# KiCad board register-motherboard - Copy.kicad_pcb (continued)
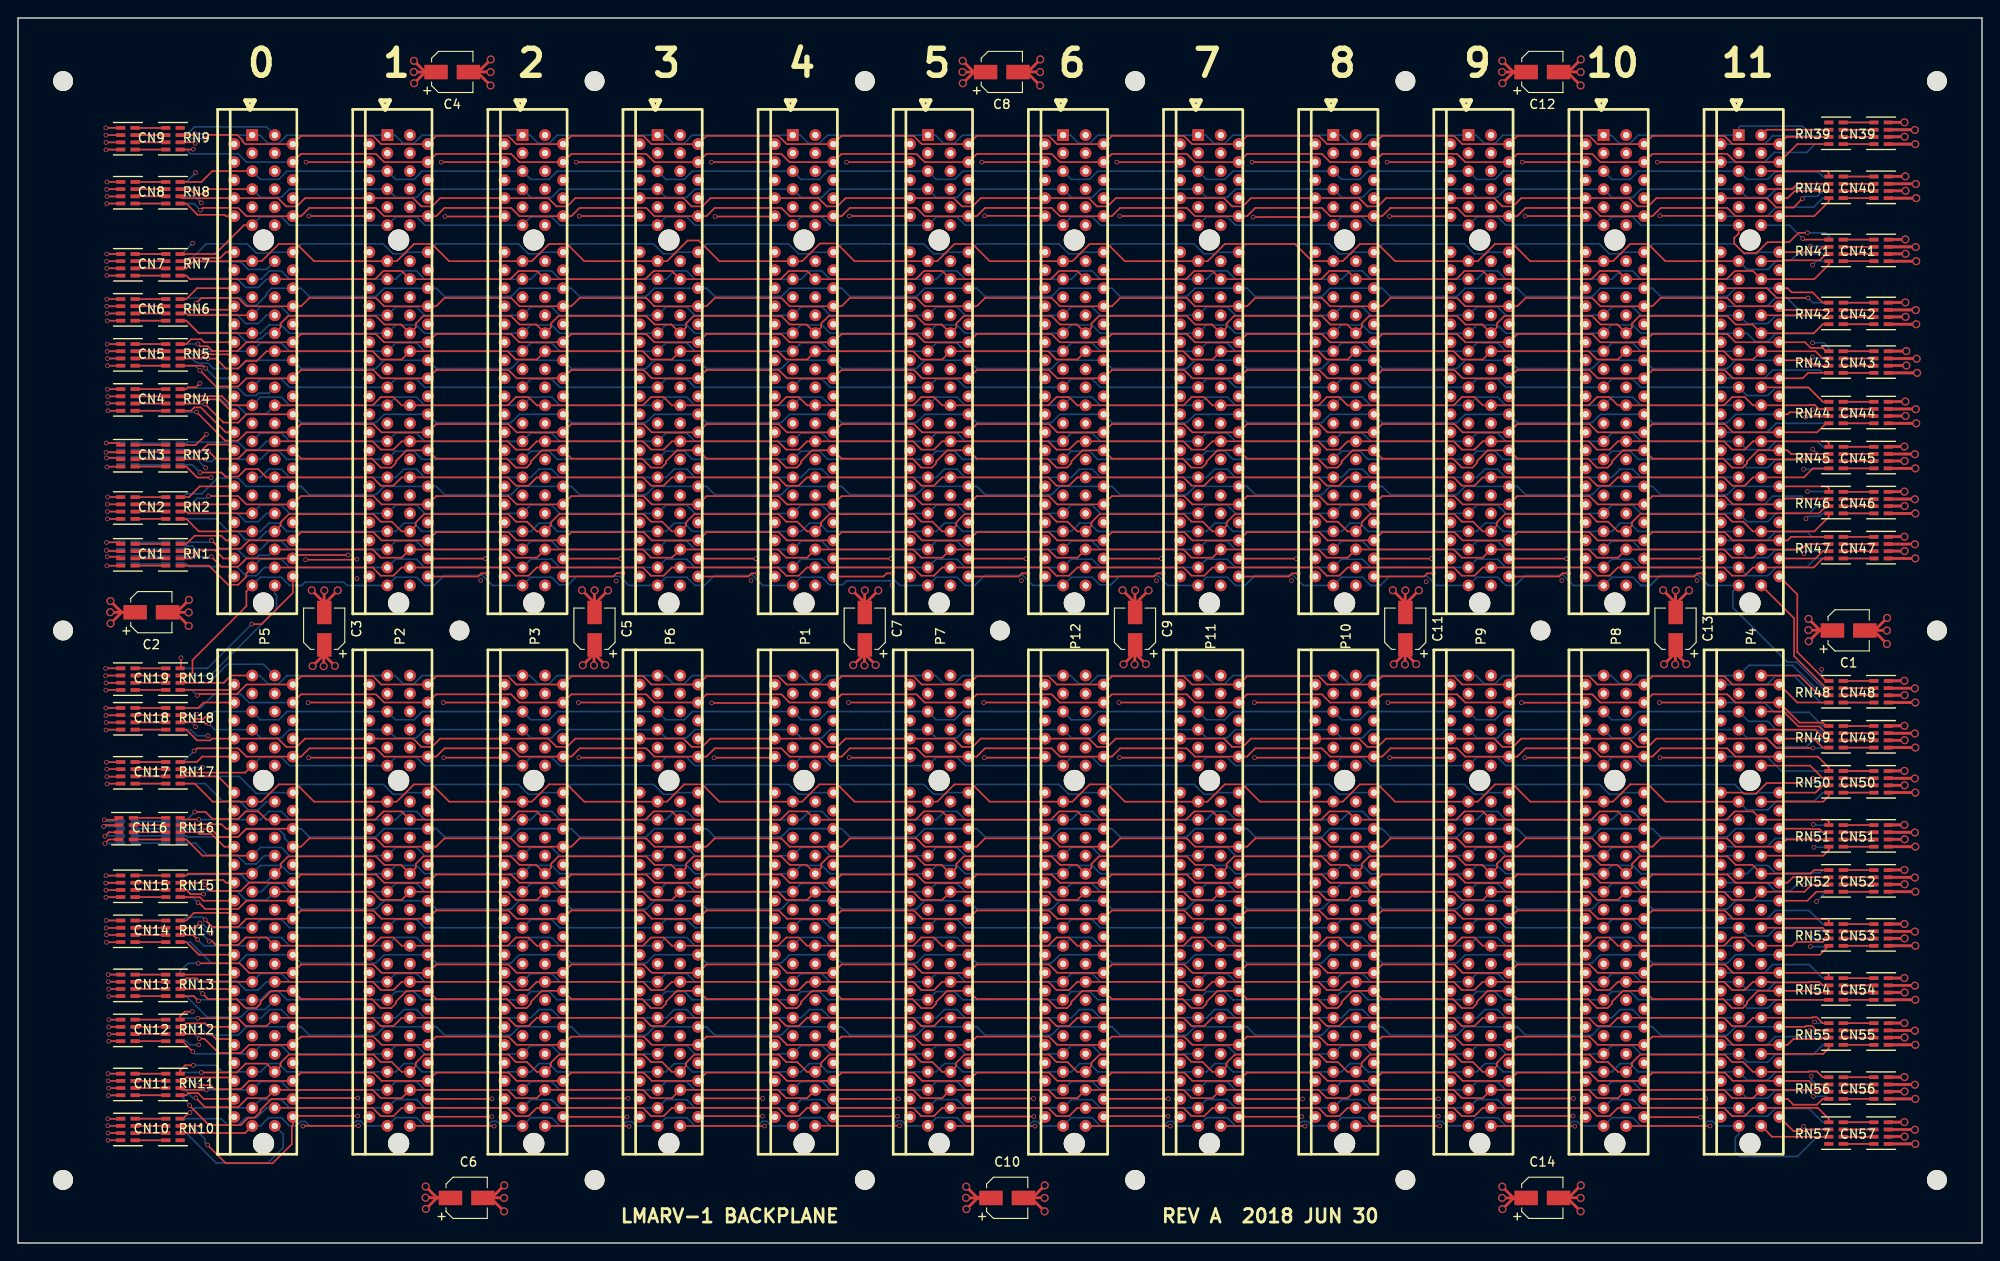
[diagram p0: board, top side]
## Nets (continued)
/~{rd_blh}: P1.177 P2.177 P3.177 P4.177 P5.177 P6.177 P7.177 P8.177 P9.177 P10.177 P11.177 P12.177 RN33.8 RN53.8
/~{rd_bll}: P1.179 P2.179 P3.179 P4.179 P5.179 P6.179 P7.179 P8.179 P9.179 P10.179 P11.179 P12.179 RN32.5 RN54.5
/~{rd_wr}: P1.124 P2.124 P3.124 P4.124 P5.124 P6.124 P7.124 P8.124 P9.124 P10.124 P11.124 P12.124 RN24.8 RN43.8
/~{rs1_bhh}: P1.130 P2.130 P3.130 P4.130 P5.130 P6.130 P7.130 P8.130 P9.130 P10.130 P11.130 P12.130 RN23.8 RN44.8
/~{rs1_bhl}: P1.131 P2.131 P3.131 P4.131 P5.131 P6.131 P7.131 P8.131 P9.131 P10.131 P11.131 P12.131 RN22.5 RN45.5
/~{rs1_blh}: P1.182 P2.182 P3.182 P4.182 P5.182 P6.182 P7.182 P8.182 P9.182 P10.182 P11.182 P12.182 RN32.8 RN54.8
/~{rs1_bll}: P1.184 P2.184 P3.184 P4.184 P5.184 P6.184 P7.184 P8.184 P9.184 P10.184 P11.184 P12.184 RN31.5 RN55.5
/~{rs1_rd}: P1.132 P2.132 P3.132 P4.132 P5.132 P6.132 P7.132 P8.132 P9.132 P10.132 P11.132 P12.132 RN22.6 RN45.6
/~{rs2_bhh}: P1.125 P2.125 P3.125 P4.125 P5.125 P6.125 P7.125 P8.125 P9.125 P10.125 P11.125 P12.125 RN23.5 RN44.5
/~{rs2_bhl}: P1.127 P2.127 P3.127 P4.127 P5.127 P6.127 P7.127 P8.127 P9.127 P10.127 P11.127 P12.127 RN23.6 RN44.6
/~{rs2_blh}: P1.180 P2.180 P3.180 P4.180 P5.180 P6.180 P7.180 P8.180 P9.180 P10.180 P11.180 P12.180 RN32.6 RN54.6
/~{rs2_bll}: P1.181 P2.181 P3.181 P4.181 P5.181 P6.181 P7.181 P8.181 P9.181 P10.181 P11.181 P12.181 RN32.7 RN54.7
/~{rs2_rd}: P1.128 P2.128 P3.128 P4.128 P5.128 P6.128 P7.128 P8.128 P9.128 P10.128 P11.128 P12.128 RN23.7 RN44.7
Net-(CN1-Pad5): CN1.5 RN1.4
Net-(CN1-Pad6): CN1.6 RN1.3
Net-(CN1-Pad7): CN1.7 RN1.2
Net-(CN1-Pad8): CN1.8 RN1.1
Net-(CN2-Pad5): CN2.5 RN2.4
Net-(CN2-Pad6): CN2.6 RN2.3
Net-(CN2-Pad7): CN2.7 RN2.2
Net-(CN2-Pad8): CN2.8 RN2.1
Net-(CN3-Pad5): CN3.5 RN3.4
Net-(CN3-Pad6): CN3.6 RN3.3
Net-(CN3-Pad7): CN3.7 RN3.2
Net-(CN3-Pad8): CN3.8 RN3.1
Net-(CN4-Pad5): CN4.5 RN4.4
Net-(CN4-Pad6): CN4.6 RN4.3
Net-(CN4-Pad7): CN4.7 RN4.2
Net-(CN4-Pad8): CN4.8 RN4.1
Net-(CN5-Pad5): CN5.5 RN5.4
Net-(CN5-Pad6): CN5.6 RN5.3
Net-(CN5-Pad7): CN5.7 RN5.2
Net-(CN5-Pad8): CN5.8 RN5.1
Net-(CN6-Pad5): CN6.5 RN6.4
Net-(CN6-Pad6): CN6.6 RN6.3
Net-(CN6-Pad7): CN6.7 RN6.2
Net-(CN6-Pad8): CN6.8 RN6.1
Net-(CN7-Pad5): CN7.5 RN7.4
Net-(CN7-Pad6): CN7.6 RN7.3
Net-(CN7-Pad7): CN7.7 RN7.2
Net-(CN7-Pad8): CN7.8 RN7.1
Net-(CN8-Pad5): CN8.5 RN8.4
Net-(CN8-Pad6): CN8.6 RN8.3
Net-(CN8-Pad7): CN8.7 RN8.2
Net-(CN8-Pad8): CN8.8 RN8.1
Net-(CN9-Pad5): CN9.5 RN9.4
Net-(CN9-Pad6): CN9.6 RN9.3
Net-(CN9-Pad7): CN9.7 RN9.2
Net-(CN9-Pad8): CN9.8 RN9.1
Net-(CN10-Pad5): CN10.5 RN10.4
Net-(CN10-Pad6): CN10.6 RN10.3
Net-(CN10-Pad7): CN10.7 RN10.2
Net-(CN10-Pad8): CN10.8 RN10.1
Net-(CN11-Pad5): CN11.5 RN11.4
Net-(CN11-Pad6): CN11.6 RN11.3
Net-(CN11-Pad7): CN11.7 RN11.2
Net-(CN11-Pad8): CN11.8 RN11.1
Net-(CN12-Pad5): CN12.5 RN12.4
Net-(CN12-Pad6): CN12.6 RN12.3
Net-(CN12-Pad7): CN12.7 RN12.2
Net-(CN12-Pad8): CN12.8 RN12.1
Net-(CN13-Pad5): CN13.5 RN13.4
Net-(CN13-Pad6): CN13.6 RN13.3
Net-(CN13-Pad7): CN13.7 RN13.2
Net-(CN13-Pad8): CN13.8 RN13.1
Net-(CN14-Pad5): CN14.5 RN14.4
Net-(CN14-Pad6): CN14.6 RN14.3
Net-(CN14-Pad7): CN14.7 RN14.2
Net-(CN14-Pad8): CN14.8 RN14.1
Net-(CN15-Pad5): CN15.5 RN15.4
Net-(CN15-Pad6): CN15.6 RN15.3
Net-(CN15-Pad7): CN15.7 RN15.2
Net-(CN15-Pad8): CN15.8 RN15.1
Net-(CN16-Pad5): CN16.5 RN16.4
Net-(CN16-Pad6): CN16.6 RN16.3
Net-(CN16-Pad7): CN16.7 RN16.2
Net-(CN16-Pad8): CN16.8 RN16.1
Net-(CN17-Pad5): CN17.5 RN17.4
Net-(CN17-Pad6): CN17.6 RN17.3
Net-(CN17-Pad7): CN17.7 RN17.2
Net-(CN17-Pad8): CN17.8 RN17.1
Net-(CN18-Pad5): CN18.5 RN18.4
Net-(CN18-Pad6): CN18.6 RN18.3
Net-(CN18-Pad7): CN18.7 RN18.2
Net-(CN18-Pad8): CN18.8 RN18.1
Net-(CN19-Pad5): CN19.5 RN19.4
Net-(CN19-Pad6): CN19.6 RN19.3
Net-(CN19-Pad7): CN19.7 RN19.2
Net-(CN19-Pad8): CN19.8 RN19.1
Net-(CN20-Pad5): CN20.5 RN20.4
Net-(CN20-Pad6): CN20.6 RN20.3
Net-(CN20-Pad7): CN20.7 RN20.2
Net-(CN20-Pad8): CN20.8 RN20.1
Net-(CN21-Pad5): CN21.5 RN21.4
Net-(CN21-Pad6): CN21.6 RN21.3
Net-(CN21-Pad7): CN21.7 RN21.2
Net-(CN21-Pad8): CN21.8 RN21.1
Net-(CN22-Pad5): CN22.5 RN22.4
Net-(CN22-Pad6): CN22.6 RN22.3
Net-(CN22-Pad7): CN22.7 RN22.2
Net-(CN22-Pad8): CN22.8 RN22.1
Net-(CN23-Pad5): CN23.5 RN23.4
Net-(CN23-Pad6): CN23.6 RN23.3
Net-(CN23-Pad7): CN23.7 RN23.2
Net-(CN23-Pad8): CN23.8 RN23.1
Net-(CN24-Pad5): CN24.5 RN24.4
Net-(CN24-Pad6): CN24.6 RN24.3
Net-(CN24-Pad7): CN24.7 RN24.2
Net-(CN24-Pad8): CN24.8 RN24.1
Net-(CN25-Pad5): CN25.5 RN25.4
Net-(CN25-Pad6): CN25.6 RN25.3
Net-(CN25-Pad7): CN25.7 RN25.2
Net-(CN25-Pad8): CN25.8 RN25.1
Net-(CN26-Pad5): CN26.5 RN26.4
Net-(CN26-Pad6): CN26.6 RN26.3
Net-(CN26-Pad7): CN26.7 RN26.2
Net-(CN26-Pad8): CN26.8 RN26.1
Net-(CN27-Pad5): CN27.5 RN27.4
Net-(CN27-Pad6): CN27.6 RN27.3
Net-(CN27-Pad7): CN27.7 RN27.2
Net-(CN27-Pad8): CN27.8 RN27.1
Net-(CN28-Pad5): CN28.5 RN28.4
Net-(CN28-Pad6): CN28.6 RN28.3
Net-(CN28-Pad7): CN28.7 RN28.2
Net-(CN28-Pad8): CN28.8 RN28.1
Net-(CN29-Pad5): CN29.5 RN29.4
Net-(CN29-Pad6): CN29.6 RN29.3
Net-(CN29-Pad7): CN29.7 RN29.2
Net-(CN29-Pad8): CN29.8 RN29.1
Net-(CN30-Pad5): CN30.5 RN30.4
Net-(CN30-Pad6): CN30.6 RN30.3
Net-(CN30-Pad7): CN30.7 RN30.2
Net-(CN30-Pad8): CN30.8 RN30.1
Net-(CN31-Pad5): CN31.5 RN31.4
Net-(CN31-Pad6): CN31.6 RN31.3
Net-(CN31-Pad7): CN31.7 RN31.2
Net-(CN31-Pad8): CN31.8 RN31.1
Net-(CN32-Pad5): CN32.5 RN32.4
Net-(CN32-Pad6): CN32.6 RN32.3
Net-(CN32-Pad7): CN32.7 RN32.2
Net-(CN32-Pad8): CN32.8 RN32.1
Net-(CN33-Pad5): CN33.5 RN33.4
Net-(CN33-Pad6): CN33.6 RN33.3
Net-(CN33-Pad7): CN33.7 RN33.2
Net-(CN33-Pad8): CN33.8 RN33.1
Net-(CN34-Pad5): CN34.5 RN34.4
Net-(CN34-Pad6): CN34.6 RN34.3
Net-(CN34-Pad7): CN34.7 RN34.2
Net-(CN34-Pad8): CN34.8 RN34.1
Net-(CN35-Pad5): CN35.5 RN35.4
Net-(CN35-Pad6): CN35.6 RN35.3
Net-(CN35-Pad7): CN35.7 RN35.2
Net-(CN35-Pad8): CN35.8 RN35.1
Net-(CN36-Pad5): CN36.5 RN36.4
Net-(CN36-Pad6): CN36.6 RN36.3
Net-(CN36-Pad7): CN36.7 RN36.2
Net-(CN36-Pad8): CN36.8 RN36.1
Net-(CN37-Pad5): CN37.5 RN37.4
Net-(CN37-Pad6): CN37.6 RN37.3
Net-(CN37-Pad7): CN37.7 RN37.2
Net-(CN37-Pad8): CN37.8 RN37.1
Net-(CN38-Pad5): CN38.5 RN38.4
Net-(CN38-Pad6): CN38.6 RN38.3
Net-(CN38-Pad7): CN38.7 RN38.2
Net-(CN38-Pad8): CN38.8 RN38.1
Net-(CN39-Pad5): CN39.5 RN39.4
Net-(CN39-Pad6): CN39.6 RN39.3
Net-(CN39-Pad7): CN39.7 RN39.2
Net-(CN39-Pad8): CN39.8 RN39.1
Net-(CN40-Pad5): CN40.5 RN40.4
Net-(CN40-Pad6): CN40.6 RN40.3
Net-(CN40-Pad7): CN40.7 RN40.2
Net-(CN40-Pad8): CN40.8 RN40.1
Net-(CN41-Pad5): CN41.5 RN41.4
Net-(CN41-Pad6): CN41.6 RN41.3
Net-(CN41-Pad7): CN41.7 RN41.2
Net-(CN41-Pad8): CN41.8 RN41.1
Net-(CN42-Pad5): CN42.5 RN42.4
Net-(CN42-Pad6): CN42.6 RN42.3
Net-(CN42-Pad7): CN42.7 RN42.2
Net-(CN42-Pad8): CN42.8 RN42.1
Net-(CN43-Pad5): CN43.5 RN43.4
Net-(CN43-Pad6): CN43.6 RN43.3
Net-(CN43-Pad7): CN43.7 RN43.2
Net-(CN43-Pad8): CN43.8 RN43.1
Net-(CN44-Pad5): CN44.5 RN44.4
Net-(CN44-Pad6): CN44.6 RN44.3
Net-(CN44-Pad7): CN44.7 RN44.2
Net-(CN44-Pad8): CN44.8 RN44.1
Net-(CN45-Pad5): CN45.5 RN45.4
Net-(CN45-Pad6): CN45.6 RN45.3
Net-(CN45-Pad7): CN45.7 RN45.2
Net-(CN45-Pad8): CN45.8 RN45.1
Net-(CN46-Pad5): CN46.5 RN46.4
Net-(CN46-Pad6): CN46.6 RN46.3
Net-(CN46-Pad7): CN46.7 RN46.2
Net-(CN46-Pad8): CN46.8 RN46.1
Net-(CN47-Pad5): CN47.5 RN47.4
Net-(CN47-Pad6): CN47.6 RN47.3
Net-(CN47-Pad7): CN47.7 RN47.2
Net-(CN47-Pad8): CN47.8 RN47.1
Net-(CN48-Pad5): CN48.5 RN48.4
Net-(CN48-Pad6): CN48.6 RN48.3
Net-(CN48-Pad7): CN48.7 RN48.2
Net-(CN48-Pad8): CN48.8 RN48.1
Net-(CN49-Pad5): CN49.5 RN49.4
Net-(CN49-Pad6): CN49.6 RN49.3
Net-(CN49-Pad7): CN49.7 RN49.2
Net-(CN49-Pad8): CN49.8 RN49.1
Net-(CN50-Pad5): CN50.5 RN50.4
Net-(CN50-Pad6): CN50.6 RN50.3
Net-(CN50-Pad7): CN50.7 RN50.2
Net-(CN50-Pad8): CN50.8 RN50.1
Net-(CN51-Pad5): CN51.5 RN51.4
Net-(CN51-Pad6): CN51.6 RN51.3
Net-(CN51-Pad7): CN51.7 RN51.2
Net-(CN51-Pad8): CN51.8 RN51.1
Net-(CN52-Pad5): CN52.5 RN52.4
Net-(CN52-Pad6): CN52.6 RN52.3
Net-(CN52-Pad7): CN52.7 RN52.2
Net-(CN52-Pad8): CN52.8 RN52.1
Net-(CN53-Pad5): CN53.5 RN53.4
Net-(CN53-Pad6): CN53.6 RN53.3
Net-(CN53-Pad7): CN53.7 RN53.2
Net-(CN53-Pad8): CN53.8 RN53.1
Net-(CN54-Pad5): CN54.5 RN54.4
Net-(CN54-Pad6): CN54.6 RN54.3
Net-(CN54-Pad7): CN54.7 RN54.2
Net-(CN54-Pad8): CN54.8 RN54.1
Net-(CN55-Pad5): CN55.5 RN55.4
Net-(CN55-Pad6): CN55.6 RN55.3
Net-(CN55-Pad7): CN55.7 RN55.2
Net-(CN55-Pad8): CN55.8 RN55.1
Net-(CN56-Pad5): CN56.5 RN56.4
Net-(CN56-Pad6): CN56.6 RN56.3
Net-(CN56-Pad7): CN56.7 RN56.2
Net-(CN56-Pad8): CN56.8 RN56.1
Net-(CN57-Pad5): CN57.5 RN57.4
Net-(CN57-Pad6): CN57.6 RN57.3
Net-(CN57-Pad7): CN57.7 RN57.2
Net-(CN57-Pad8): CN57.8 RN57.1
Net-(CN58-Pad5): CN58.5 RN58.4
Net-(CN58-Pad6): CN58.6 RN58.3
Net-(CN58-Pad7): CN58.7 RN58.2
Net-(CN58-Pad8): CN58.8 RN58.1
Net-(CN59-Pad5): CN59.5 RN59.4
Net-(CN59-Pad6): CN59.6 RN59.3
Net-(CN59-Pad7): CN59.7 RN59.2
Net-(CN59-Pad8): CN59.8 RN59.1
Net-(CN60-Pad5): CN60.5 RN60.4
Net-(CN60-Pad6): CN60.6 RN60.3
Net-(CN60-Pad7): CN60.7 RN60.2
Net-(CN60-Pad8): CN60.8 RN60.1
Net-(CN61-Pad5): CN61.5 RN61.4
Net-(CN61-Pad6): CN61.6 RN61.3
Net-(CN61-Pad7): CN61.7 RN61.2
Net-(CN61-Pad8): CN61.8 RN61.1
Net-(CN62-Pad5): CN62.5 RN62.4
Net-(CN62-Pad6): CN62.6 RN62.3
Net-(CN62-Pad7): CN62.7 RN62.2
Net-(CN62-Pad8): CN62.8 RN62.1
Net-(CN63-Pad5): CN63.5 RN63.4
Net-(CN63-Pad6): CN63.6 RN63.3
Net-(CN63-Pad7): CN63.7 RN63.2
Net-(CN63-Pad8): CN63.8 RN63.1
Net-(CN64-Pad5): CN64.5 RN64.4
Net-(CN64-Pad6): CN64.6 RN64.3
Net-(CN64-Pad7): CN64.7 RN64.2
Net-(CN64-Pad8): CN64.8 RN64.1
Net-(CN65-Pad5): CN65.5 RN65.4
Net-(CN65-Pad6): CN65.6 RN65.3
Net-(CN65-Pad7): CN65.7 RN65.2
Net-(CN65-Pad8): CN65.8 RN65.1
Net-(CN66-Pad5): CN66.5 RN66.4
Net-(CN66-Pad6): CN66.6 RN66.3
Net-(CN66-Pad7): CN66.7 RN66.2
Net-(CN66-Pad8): CN66.8 RN66.1
Net-(CN67-Pad5): CN67.5 RN67.4
Net-(CN67-Pad6): CN67.6 RN67.3
Net-(CN67-Pad7): CN67.7 RN67.2
Net-(CN67-Pad8): CN67.8 RN67.1
Net-(CN68-Pad5): CN68.5 RN68.4
Net-(CN68-Pad6): CN68.6 RN68.3
Net-(CN68-Pad7): CN68.7 RN68.2
Net-(CN68-Pad8): CN68.8 RN68.1
Net-(CN69-Pad5): CN69.5 RN69.4
Net-(CN69-Pad6): CN69.6 RN69.3
Net-(CN69-Pad7): CN69.7 RN69.2
Net-(CN69-Pad8): CN69.8 RN69.1
Net-(CN70-Pad5): CN70.5 RN70.4
Net-(CN70-Pad6): CN70.6 RN70.3
Net-(CN70-Pad7): CN70.7 RN70.2
Net-(CN70-Pad8): CN70.8 RN70.1
Net-(CN71-Pad5): CN71.5 RN71.4
Net-(CN71-Pad6): CN71.6 RN71.3
Net-(CN71-Pad7): CN71.7 RN71.2
Net-(CN71-Pad8): CN71.8 RN71.1
Net-(CN72-Pad5): CN72.5 RN72.4
Net-(CN72-Pad6): CN72.6 RN72.3
Net-(CN72-Pad7): CN72.7 RN72.2
Net-(CN72-Pad8): CN72.8 RN72.1
Net-(CN73-Pad5): CN73.5 RN73.4
Net-(CN73-Pad6): CN73.6 RN73.3
Net-(CN73-Pad7): CN73.7 RN73.2
Net-(CN73-Pad8): CN73.8 RN73.1
Net-(CN74-Pad5): CN74.5 RN74.4
Net-(CN74-Pad6): CN74.6 RN74.3
Net-(CN74-Pad7): CN74.7 RN74.2
Net-(CN74-Pad8): CN74.8 RN74.1
Net-(CN75-Pad5): CN75.5 RN75.4
Net-(CN75-Pad6): CN75.6 RN75.3
Net-(CN75-Pad7): CN75.7 RN75.2
Net-(CN75-Pad8): CN75.8 RN75.1
Net-(CN76-Pad5): CN76.5 RN76.4
Net-(CN76-Pad6): CN76.6 RN76.3
Net-(CN76-Pad7): CN76.7 RN76.2
Net-(CN76-Pad8): CN76.8 RN76.1
Net-(RN9-Pad8): RN9.8
Net-(RN10-Pad5): RN10.5
Net-(RN28-Pad5): RN28.5
Net-(RN29-Pad8): RN29.8
Net-(RN39-Pad5): RN39.5
Net-(RN57-Pad8): RN57.8
Net-(RN58-Pad8): RN58.8
Net-(RN76-Pad5): RN76.5

## Via types
v1: diameter 0.508, hole 0.381, Top to Bottom, 287 vias
v2: diameter 0.889, hole 0.635, Top to Bottom, 160 vias

## Routing (per net, layer and track width the routed paths; a pad name or vN(x,y) marks a point on that pad's centre or on a via; arc(x,y) is an arc through that point)
GND: length 714.7
  Top w0.178: CN3.3 11.25,87.15 v1(9.83,87.15) ; v1(9.79,35.82) 9.81,35.8 CN14.1 ; CN15.4 9.79,38.4 v1(9.76,38.37) ; CN2.1 11.38,82.82 v1(9.95,82.82) ; v1(9.5,46.24) 9.66,46.4 CN16.2 ; v1(9.64,44.35) 10.09,44.8 CN16.4 ; CN3.2 9.81,87.8 v1(9.77,87.76) ; v1(9.96,13.02) 9.98,13 CN10.2 ; v1(9.92,98.2) CN5.3 ; CN11.3 11.39,17.19 v1(10.06,17.19) ; CN9.3 11.39,122.19 v1(9.77,122.19) ; v1(9.86,107.41) 9.87,107.4 CN7.4 ; v1(9.76,40.79) 11.39,40.79 CN15.1 ; v1(9.94,97.39) 9.95,97.4 CN5.4 ; v1(9.86,104.79) 11.39,104.79 CN6.1 ; v1(9.77,62.18) 11.38,62.18 CN19.3 ; v1(9.76,122.99) 9.77,123 CN9.2 ; CN14.2 11.37,34.97 v1(9.78,34.97) ; CN7.3 11.39,108.21 v1(9.85,108.21) ; CN1.1 11.21,77.79 v1(9.82,77.79) ; CN4.4 9.99,92.4 v1(9.98,92.39) ; CN14.3 9.83,34.2 v1(9.82,34.21) ; v1(10.07,23.99) 10.08,24 CN12.2 ; v1(9.73,63.8) CN19.1 ; CN5.1 11.39,99.79 v1(9.9,99.79) ; v1(9.92,81.2) CN2.3 ; CN2.4 9.94,80.4 v1(9.93,80.39) ; v1(9.94,94.79) 11.39,94.79 CN4.1 ; CN19.4 9.77,61.4 v1(9.75,61.38) ; CN2.2 9.94,82 v1(9.91,82.03) ; CN9.4 9.8,121.4 v1(9.76,121.36) ; CN12.1 11.39,24.79 v1(10.07,24.79) ; v1(10,18.8) CN11.1 ; v1(9.96,93.23) 11.37,93.23 CN4.3 ; CN13.1 v1(10.01,29.8) ; v1(9.84,109.8) CN7.1 ; CN16.3 10.1,45.6 10.09,45.61 v1(9.64,45.16) ; v1(9.76,39.17) 11.37,39.17 CN15.3 ; v1(9.84,108.98) 9.86,109 CN7.2 ; v1(9.97,13.79) 11.39,13.79 CN10.1 ; CN8.3 11.39,116.19 v1(9.88,116.19) ; CN18.2 9.8,58.6 v1(9.76,58.56) ; CN3.1 11.18,88.82 v1(9.78,88.82) ; CN9.1 11.39,123.81 v1(9.75,123.81) ; CN12.3 11.38,23.18 v1(10.1,23.18) ; v1(10.03,16.37) 10.06,16.4 CN11.4 ; v1(9.91,102.37) 9.94,102.4 CN6.4 ; CN14.4 11.39,33.39 v1(9.82,33.39) ; v1(9.87,117.8) CN8.1 ; v1(9.86,51.77) 11.37,51.77 CN17.3 ; CN5.2 9.9,99 v1(9.89,98.99) ; CN11.2 10.01,18 v1(10,17.99) ; v1(9.85,116.97) 9.88,117 CN8.2 ; v1(10,12.21) 11.39,12.21 CN10.3 ; CN12.4 10.08,22.4 v1(10.07,22.41) ; CN17.4 9.91,51 v1(9.88,50.97) ; v1(9.82,53.38) 11.38,53.38 CN17.1 ; CN4.2 9.99,94 v1(9.96,93.97) ; CN19.2 9.75,63 v1(9.73,62.98) ; CN1.4 9.87,75.2 v1(9.86,75.19) ; CN6.2 v1(9.85,104) ; v1(9.75,59.4) CN18.1 ; v1(10.07,28.18) 10.09,28.2 CN13.3 ; v1(9.78,57.78) 11.38,57.78 CN18.3 ; CN15.2 9.79,40 v1(9.75,39.96) ; v1(9.87,86.16) 9.91,86.2 CN3.4 ; CN10.4 10,11.4 v1(9.99,11.41) ; v1(9.77,56.95) 9.82,57 CN18.4 ; CN8.4 9.86,115.4 v1(9.85,115.39) ; v1(9.81,76.89) 9.9,76.8 CN1.2 ; v1(10.02,29.01) 11.39,29.01 CN13.2 ; v1(9.85,52.61) 9.86,52.6 CN17.2 ; v1(10.07,27.38) 11.38,27.38 CN13.4 ; CN1.3 11.22,76.18 v1(9.9,76.18) ; v1(9.89,103.2) CN6.3 ; CN16.1 10.98,46.98 v1(9.57,46.98)
  Top w0.305: v2(18.97,71.4) 17.59,70.02 C2.2 ; C2.2 17.44,70.02 v2(18.95,68.51) ; C2.2 18.93,70.02 v2(18.95,70) ; 205.1,68.02 207.43,68.02 v2(207.45,68) ; 205.1,68.02 206.09,68.02 v2(207.47,69.4) ; 205.1,68.02 205.94,68.02 v2(207.45,66.51) ; 50.1,130.02 52.43,130.02 v2(52.45,130) ; 50.1,130.02 51.09,130.02 v2(52.47,131.4) ; 50.1,130.02 50.94,130.02 v2(52.45,128.51) ; 111.1,130.02 112.09,130.02 v2(113.47,131.4) ; 111.1,130.02 111.94,130.02 v2(113.45,128.51) ; 111.1,130.02 113.43,130.02 v2(113.45,130) ; 171.1,130.02 172.09,130.02 v2(173.47,131.4) ; 171.1,130.02 171.94,130.02 v2(173.45,128.51) ; 171.1,130.02 173.43,130.02 v2(173.45,130) ; 171.1,5.02 172.09,5.02 v2(173.47,6.4) ; 171.1,5.02 173.43,5.02 v2(173.45,5) ; 171.1,5.02 171.94,5.02 v2(173.45,3.51) ; 111.6,5.02 113.93,5.02 v2(113.95,5) ; 111.6,5.02 112.44,5.02 v2(113.95,3.51) ; 111.6,5.02 112.59,5.02 v2(113.97,6.4) ; 51.6,5.02 53.93,5.02 v2(53.95,5) ; 51.6,5.02 52.59,5.02 v2(53.97,6.4) ; 51.6,5.02 52.44,5.02 v2(53.95,3.51) ; 33.98,70.1 33.98,70.94 v2(35.49,72.45) ; 33.98,70.1 33.98,72.43 v2(34,72.45) ; 33.98,70.1 33.98,71.09 v2(32.6,72.47) ; 63.98,70.1 63.98,70.94 v2(65.49,72.45) ; 63.98,70.1 63.98,72.43 v2(64,72.45) ; 63.98,70.1 63.98,71.09 v2(62.6,72.47) ; v2(92.6,72.47) 93.98,71.09 93.98,70.1 ; 93.98,70.1 93.98,70.94 v2(95.49,72.45) ; 93.98,70.1 93.98,72.43 v2(94,72.45) ; v2(125.49,72.45) 123.98,70.94 123.98,70.1 ; 123.98,70.1 123.98,72.43 v2(124,72.45) ; 123.98,70.1 123.98,71.09 v2(122.6,72.47) ; v2(155.49,72.45) 153.98,70.94 153.98,70.1 ; 153.98,70.1 153.98,71.09 v2(152.6,72.47) ; 153.98,70.1 153.98,72.43 v2(154,72.45) ; v2(182.6,72.47) 183.98,71.09 183.98,70.1 ; v2(185.49,72.45) 183.98,70.94 183.98,70.1 ; 183.98,70.1 183.98,72.43 v2(184,72.45) ; 207.7,116 v2(210.7,116) ; 207.7,116.8 207.72,116.82 v2(209.51,116.82) ; 207.7,117.6 210.62,117.6 v2(210.65,117.57) ; 207.7,118.4 207.72,118.42 v2(209.49,118.42) ; v2(209.49,111.42) 207.72,111.42 207.7,111.4 ; v2(210.65,110.57) 210.62,110.6 207.7,110.6 ; v2(209.51,109.82) 207.72,109.82 207.7,109.8 ; 207.7,109 v2(210.7,109) ; v2(209.51,102.82) 207.72,102.82 207.7,102.8 ; 207.7,102 v2(210.7,102) ; 207.7,103.6 210.62,103.6 v2(210.65,103.57) ; v2(209.49,104.42) 207.72,104.42 207.7,104.4 ; 207.8,97.4 207.82,97.42 v2(209.61,97.42) ; 207.8,96.6 v2(210.8,96.6) ; v2(209.59,99.02) 207.82,99.02 207.8,99 ; v2(210.75,98.17) 210.72,98.2 207.8,98.2 ; 207.7,92.6 210.62,92.6 v2(210.65,92.57) ; 207.7,91 v2(210.7,91) ; 207.7,91.8 207.72,91.82 v2(209.51,91.82) ; v2(209.49,93.42) 207.72,93.42 207.7,93.4 ; CN45.2 207.62,86.82 v2(209.41,86.82) ; CN45.4 207.62,88.42 v2(209.39,88.42) ; CN45.1 v2(210.6,86) ; v2(210.55,87.57) 210.52,87.6 CN45.3 ; CN46.1 v2(210.6,81) ; v2(210.55,82.57) 210.52,82.6 CN46.3 ; v2(209.39,83.42) 207.62,83.42 CN46.4 ; CN46.2 207.62,81.82 v2(209.41,81.82) ; v2(209.39,78.42) 207.62,78.42 CN47.4 ; v2(210.55,77.57) 210.52,77.6 CN47.3 ; CN47.1 v2(210.6,76) ; v2(209.41,76.82) 207.62,76.82 CN47.2 ; CN48.2 207.62,60.82 v2(209.41,60.82) ; CN48.1 v2(210.6,60) ; v2(209.39,62.42) 207.62,62.42 CN48.4 ; CN48.3 210.52,61.6 v2(210.55,61.57) ; v2(209.39,57.42) 207.62,57.42 CN49.4 ; CN49.2 207.62,55.82 v2(209.41,55.82) ; v2(210.55,56.57) 210.52,56.6 CN49.3 ; CN49.1 v2(210.6,55) ; CN50.2 207.62,50.82 v2(209.41,50.82) ; CN50.4 207.62,52.42 v2(209.39,52.42) ; CN50.3 210.52,51.6 v2(210.55,51.57) ; CN50.1 v2(210.6,50) ; v2(210.55,45.57) 210.52,45.6 CN51.3 ; CN51.1 v2(210.6,44) ; v2(209.41,44.82) 207.62,44.82 CN51.2 ; CN51.4 207.62,46.42 v2(209.39,46.42) ; v2(210.55,40.57) 210.52,40.6 CN52.3 ; v2(209.41,39.82) 207.62,39.82 CN52.2 ; CN52.1 v2(210.6,39) ; CN52.4 207.62,41.42 v2(209.39,41.42) ; CN53.2 207.62,33.82 v2(209.41,33.82) ; CN53.1 v2(210.6,33) ; CN53.4 207.62,35.42 v2(209.39,35.42) ; v2(210.55,34.57) 210.52,34.6 CN53.3 ; CN54.4 207.62,29.42 v2(209.39,29.42) ; CN54.3 210.52,28.6 v2(210.55,28.57) ; v2(209.41,27.82) 207.62,27.82 CN54.2 ; CN54.1 v2(210.6,27) ; CN55.3 210.52,23.6 v2(210.55,23.57) ; v2(209.41,22.82) 207.62,22.82 CN55.2 ; CN55.4 207.62,24.42 v2(209.39,24.42) ; CN55.1 v2(210.6,22) ; CN56.3 210.52,17.6 v2(210.55,17.57) ; CN56.1 v2(210.6,16) ; CN56.4 207.62,18.42 v2(209.39,18.42) ; v2(209.41,16.82) 207.62,16.82 CN56.2 ; CN57.2 207.62,11.82 v2(209.41,11.82) ; CN57.3 210.52,12.6 v2(210.55,12.57) ; CN57.1 v2(210.6,11) ; CN57.4 207.62,13.42 v2(209.39,13.42) ; CN39.4 207.62,124.42 v2(209.39,124.42) ; CN39.3 210.52,123.6 v2(210.55,123.57) ; CN39.1 v2(210.6,122) ; CN39.2 207.62,122.82 v2(209.41,122.82)
  Bottom w0.178: v1(9.81,76.89) 11.29,76.89 CN20.3 ; v1(9.86,75.19) 11.19,75.19 CN20.1 ; v1(10.07,23.99) 11.39,23.99 CN12.2 ; CN12.3 10.12,23.2 v1(10.1,23.18) ; CN15.2 11.36,39.96 v1(9.75,39.96) ; CN7.4 11.39,107.41 v1(9.86,107.41) ; v1(9.73,62.98) 11.38,62.98 CN19.2 ; v1(9.85,116.97) 11.37,116.97 CN8.2 ; v1(9.77,62.18) 9.79,62.2 CN19.3 ; CN6.1 9.87,104.8 v1(9.86,104.79) ; v1(9.85,52.61) 11.39,52.61 CN17.2 ; CN10.1 9.98,13.8 v1(9.97,13.79) ; v1(9.95,82.82) 9.97,82.8 CN2.1 ; CN5.2 11.39,98.99 v1(9.89,98.99) ; v1(9.77,122.19) 9.78,122.2 CN9.3 ; v1(10.07,22.41) 11.39,22.41 CN12.4 ; CN15.1 9.77,40.8 v1(9.76,40.79) ; v1(9.75,61.38) 11.38,61.38 CN19.4 ; CN8.3 9.89,116.2 v1(9.88,116.19) ; v1(9.9,76.18) 9.92,76.2 CN20.2 ; CN35.2 9.68,45.2 v1(9.64,45.16) ; CN35.1 11.35,44.35 v1(9.64,44.35) ; CN4.1 9.95,94.8 v1(9.94,94.79) ; CN22.1 11.16,86.16 v1(9.87,86.16) ; v1(9.9,99.79) 9.91,99.8 CN5.1 ; v1(9.76,58.56) 11.36,58.56 CN18.2 ; CN4.2 11.37,93.97 v1(9.96,93.97) ; v1(9.82,77.79) 9.83,77.8 CN20.4 ; CN4.3 9.99,93.2 v1(9.96,93.23) ; v1(10.06,17.19) 10.07,17.2 CN11.3 ; v1(9.82,53.38) 9.84,53.4 CN17.1 ; CN14.4 9.83,33.4 v1(9.82,33.39) ; CN10.2 11.38,13.02 v1(9.96,13.02) ; CN9.4 11.36,121.36 v1(9.76,121.36) ; CN8.4 11.39,115.39 v1(9.85,115.39) ; v1(9.78,34.97) 9.81,35 CN14.2 ; CN2.2 11.37,82.03 v1(9.91,82.03) ; CN35.4 9.75,46.8 v1(9.57,46.98) ; CN13.3 11.38,28.18 v1(10.07,28.18) ; v1(10.03,16.37) 11.37,16.37 CN11.4 ; CN13.4 10.09,27.4 v1(10.07,27.38) ; v1(9.78,88.82) 9.8,88.8 CN22.4 ; v1(9.76,38.37) 11.37,38.37 CN15.4 ; v1(9.5,46.24) 11.22,46.24 11.4,46.06 CN35.3 ; CN18.3 9.8,57.8 v1(9.78,57.78) ; v1(9.79,35.82) 11.38,35.82 CN14.1 ; v1(9.76,122.99) 11.39,122.99 CN9.2 ; CN22.3 11.16,87.76 v1(9.77,87.76) ; CN13.2 10.03,29 v1(10.02,29.01) ; v1(10.07,24.79) 10.08,24.8 CN12.1 ; v1(9.91,102.37) 11.37,102.37 CN6.4 ; CN10.4 11.39,11.41 v1(9.99,11.41) ; v1(9.86,51.77) 9.89,51.8 CN17.3 ; CN10.3 10.01,12.2 v1(10,12.21) ; v1(9.83,87.15) 9.88,87.2 CN22.2 ; CN14.3 11.39,34.21 v1(9.82,34.21) ; CN9.1 9.76,123.8 v1(9.75,123.81) ; CN11.1 v1(10,18.8) ; CN2.3 v1(9.92,81.2) ; v1(9.94,97.39) 11.39,97.39 CN5.4 ; CN17.4 11.37,50.97 v1(9.88,50.97) ; CN7.2 11.38,108.98 v1(9.84,108.98) ; CN4.4 11.39,92.39 v1(9.98,92.39) ; CN5.3 v1(9.92,98.2) ; v1(9.85,104) CN6.2 ; v1(9.76,39.17) 9.79,39.2 CN15.3 ; CN18.1 v1(9.75,59.4) ; v1(9.93,80.39) 11.39,80.39 CN2.4 ; v1(10,17.99) 11.39,17.99 CN11.2 ; CN6.3 v1(9.89,103.2) ; CN7.1 v1(9.84,109.8) ; CN8.1 v1(9.87,117.8) ; CN18.4 11.35,56.95 v1(9.77,56.95) ; CN7.3 9.86,108.2 v1(9.85,108.21) ; CN19.1 v1(9.73,63.8) ; v1(10.01,29.8) CN13.1
  Bottom w0.305: v2(210.7,116) 207.7,116 ; 207.7,116.8 209.49,116.8 v2(209.51,116.82) ; 207.7,117.6 207.73,117.57 v2(210.65,117.57) ; v2(209.49,118.42) 209.47,118.4 207.7,118.4 ; 207.7,111.4 209.47,111.4 v2(209.49,111.42) ; v2(210.65,110.57) 207.73,110.57 207.7,110.6 ; v2(210.7,109) 207.7,109 ; 207.7,109.8 209.49,109.8 v2(209.51,109.82) ; v2(209.49,104.42) 209.47,104.4 207.7,104.4 ; 207.7,103.6 207.73,103.57 v2(210.65,103.57) ; v2(210.7,102) 207.7,102 ; 207.7,102.8 209.49,102.8 v2(209.51,102.82) ; v2(210.75,98.17) 207.83,98.17 207.8,98.2 ; v2(209.59,99.02) 209.57,99 207.8,99 ; v2(209.61,97.42) 209.59,97.4 207.8,97.4 ; v2(210.8,96.6) 207.8,96.6 ; v2(209.51,91.82) 209.49,91.8 207.7,91.8 ; 207.7,93.4 209.47,93.4 v2(209.49,93.42) ; v2(210.7,91) 207.7,91 ; v2(210.65,92.57) 207.73,92.57 207.7,92.6 ; v2(210.55,87.57) 207.63,87.57 CN45.3 ; v2(209.39,88.42) 209.37,88.4 CN45.4 ; v2(209.41,86.82) 209.39,86.8 CN45.2 ; v2(210.6,86) CN45.1 ; v2(209.39,83.42) 209.37,83.4 CN46.4 ; v2(210.55,82.57) 207.63,82.57 CN46.3 ; v2(209.41,81.82) 209.39,81.8 CN46.2 ; v2(210.6,81) CN46.1 ; v2(210.55,77.57) 207.63,77.57 CN47.3 ; CN47.4 209.37,78.4 v2(209.39,78.42) ; v2(210.6,76) CN47.1 ; CN47.2 209.39,76.8 v2(209.41,76.82) ; CN48.4 209.37,62.4 v2(209.39,62.42) ; CN48.3 207.63,61.57 v2(210.55,61.57) ; v2(209.41,60.82) 209.39,60.8 CN48.2 ; v2(210.6,60) CN48.1 ; v2(209.39,57.42) 209.37,57.4 CN49.4 ; CN49.3 207.63,56.57 v2(210.55,56.57) ; v2(210.6,55) CN49.1 ; v2(209.41,55.82) 209.39,55.8 CN49.2 ; CN50.4 209.37,52.4 v2(209.39,52.42) ; v2(210.6,50) CN50.1 ; CN50.3 207.63,51.57 v2(210.55,51.57) ; v2(209.41,50.82) 209.39,50.8 CN50.2 ; v2(210.55,45.57) 207.63,45.57 CN51.3 ; CN51.4 209.37,46.4 v2(209.39,46.42) ; v2(210.6,44) CN51.1 ; v2(209.41,44.82) 209.39,44.8 CN51.2 ; v2(209.41,39.82) 209.39,39.8 CN52.2 ; CN52.4 209.37,41.4 v2(209.39,41.42) ; v2(210.6,39) CN52.1 ; v2(210.55,40.57) 207.63,40.57 CN52.3 ; CN53.4 209.37,35.4 v2(209.39,35.42) ; v2(210.55,34.57) 207.63,34.57 CN53.3 ; CN53.2 209.39,33.8 v2(209.41,33.82) ; v2(210.6,33) CN53.1 ; CN54.3 207.63,28.57 v2(210.55,28.57) ; v2(209.41,27.82) 209.39,27.8 CN54.2 ; v2(209.39,29.42) 209.37,29.4 CN54.4 ; v2(210.6,27) CN54.1 ; v2(209.41,22.82) 209.39,22.8 CN55.2 ; v2(210.55,23.57) 207.63,23.57 CN55.3 ; CN55.4 209.37,24.4 v2(209.39,24.42) ; v2(210.6,22) CN55.1 ; v2(209.41,16.82) 209.39,16.8 CN56.2 ; v2(210.55,17.57) 207.63,17.57 CN56.3 ; CN56.4 209.37,18.4 v2(209.39,18.42) ; v2(210.6,16) CN56.1 ; CN57.3 207.63,12.57 v2(210.55,12.57) ; v2(210.6,11) CN57.1 ; CN57.4 209.37,13.4 v2(209.39,13.42) ; v2(209.41,11.82) 209.39,11.8 CN57.2 ; v2(209.39,124.42) 209.37,124.4 CN39.4 ; v2(210.55,123.57) 207.63,123.57 CN39.3 ; CN39.2 209.39,122.8 v2(209.41,122.82) ; v2(210.6,122) CN39.1
